# KiCad board MemoryBrakout.kicad_pcb
title: Sharpikeebo; date: 2023-08-06; rev: 2.1; company: Morpheans; note: SHARP MEMORY DISPLAY - RPI 0 2W - QMK Kb - V2.1 (July2023)
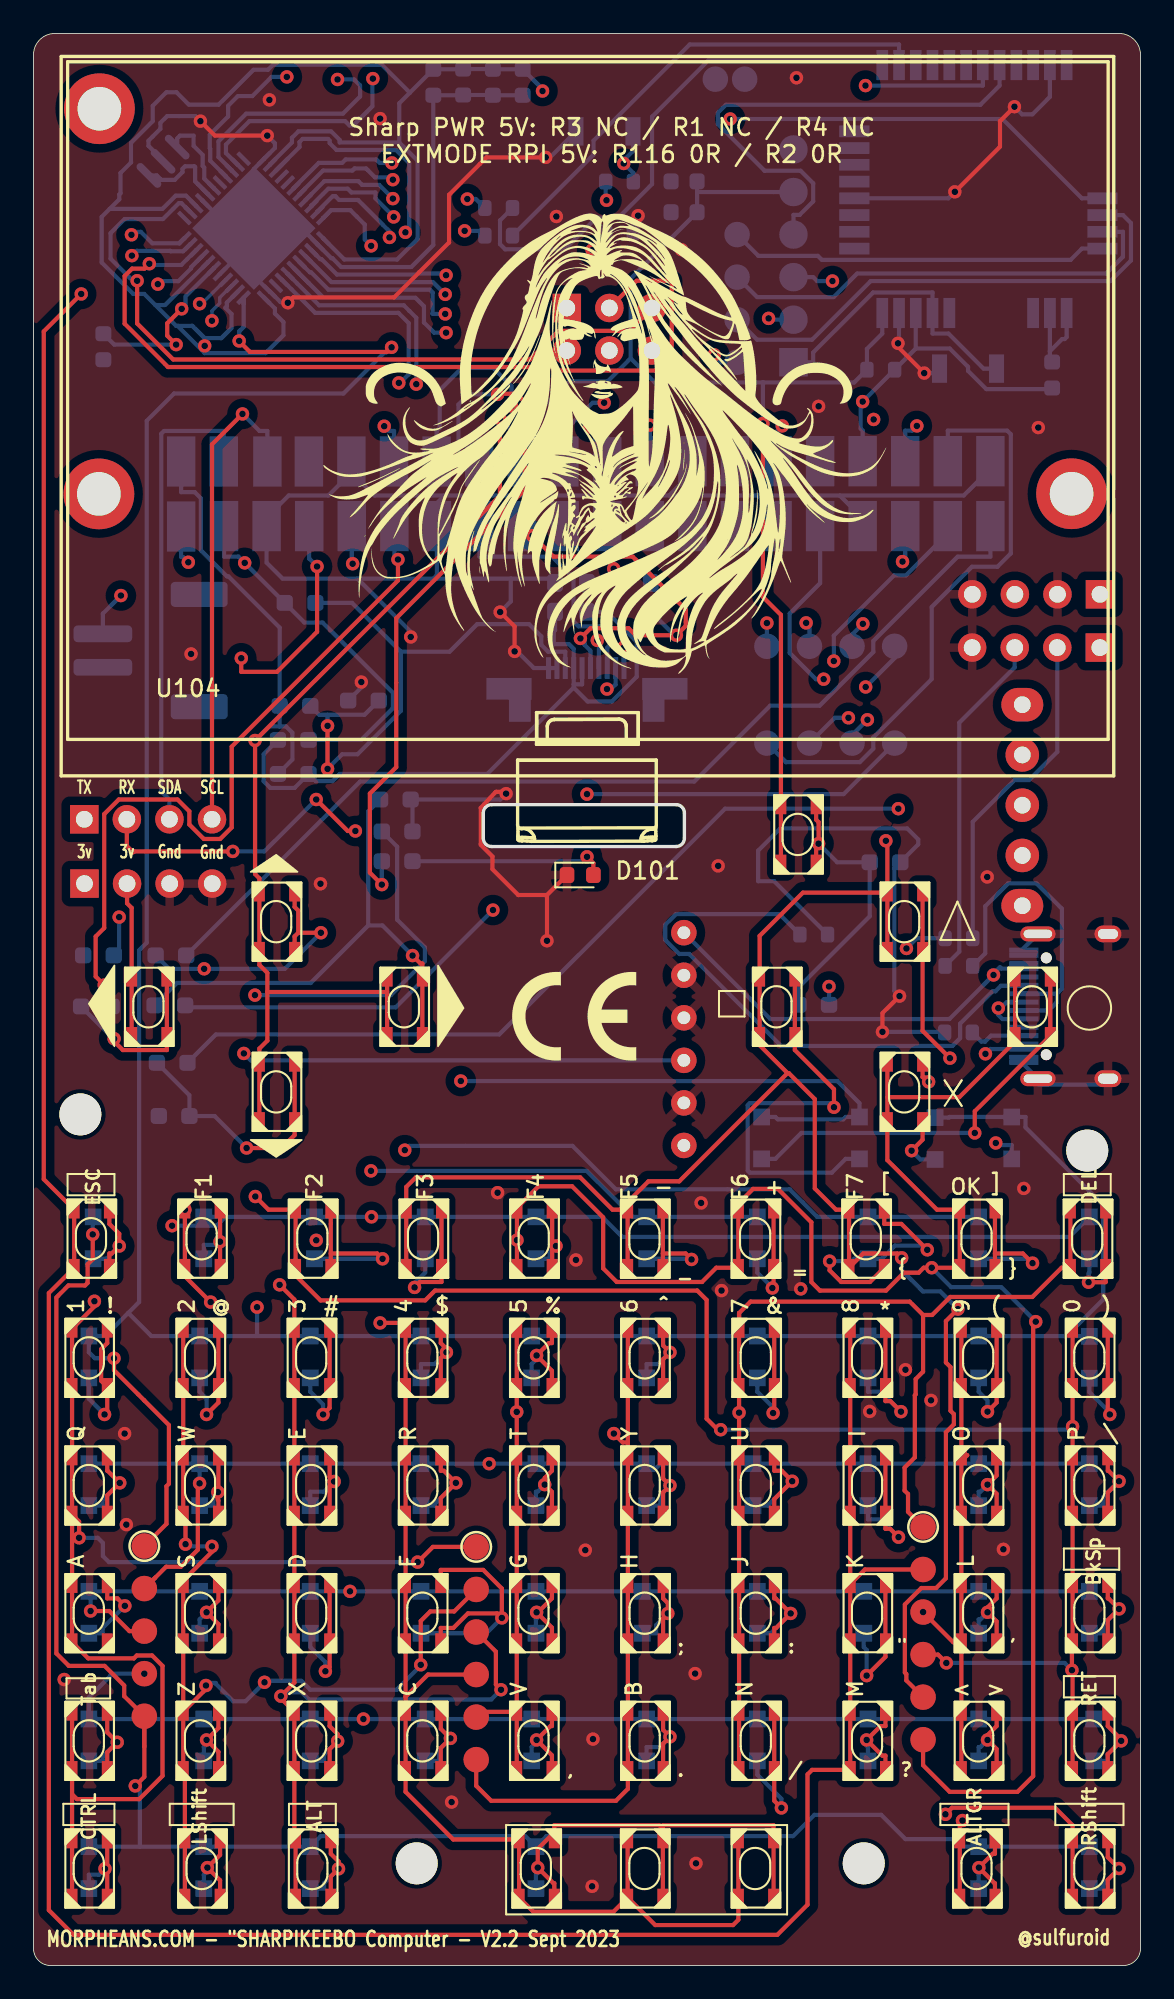
[diagram p0: board, top side]
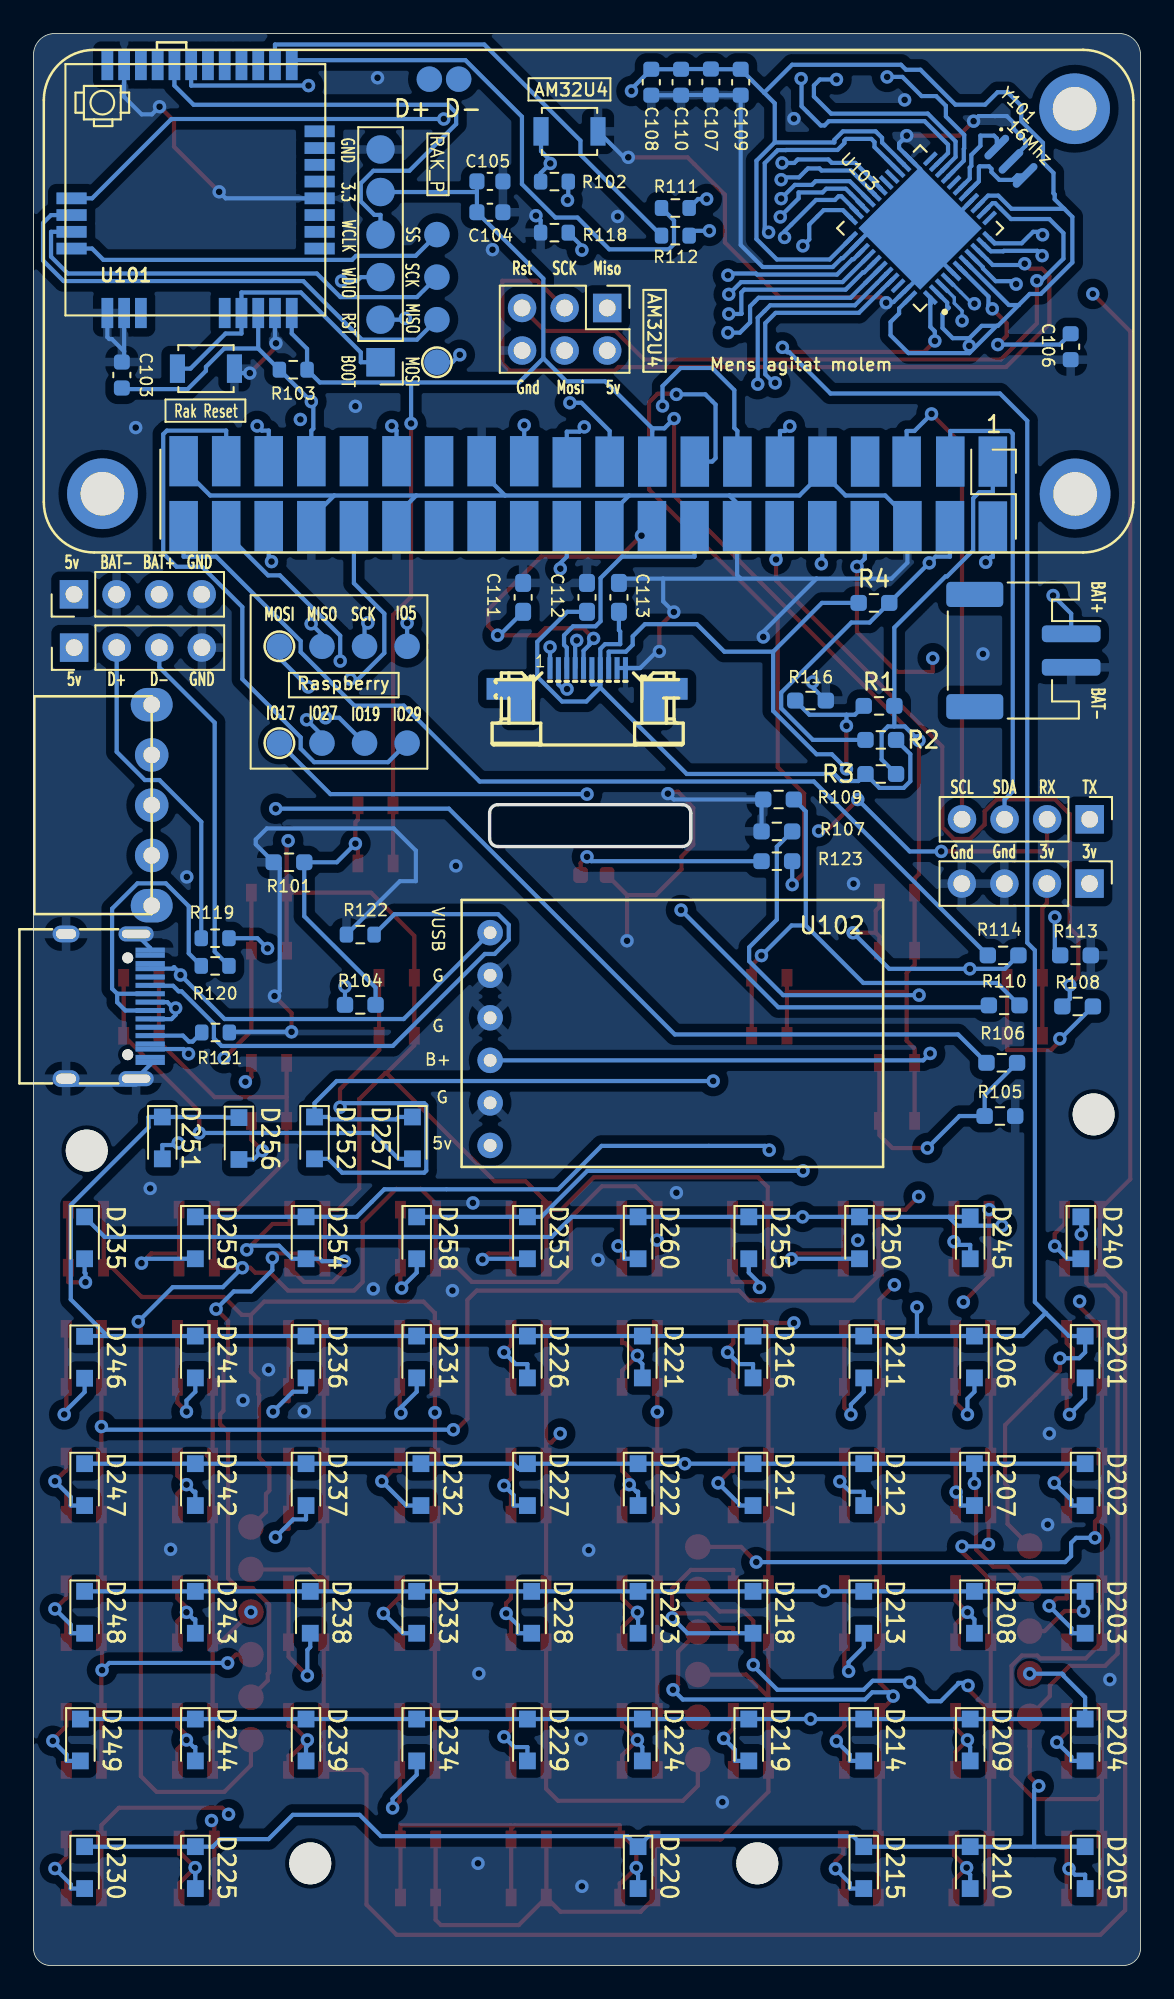
[diagram p1: board, bottom side, seen from below]

Outline 66.04 x 115.32 mm; copper layers: Top, In1.Cu, In2.Cu, Bottom. Coordinates in mm from the lower left corner of the outline.
Outline path: 0,114.05 0,1.02 arc(0.3,0.3) 1.02,0 65.02,0 arc(65.74,0.3) 66.04,1.02 66.04,114.05 arc(65.67,114.94) 64.77,115.32 1.27,115.32 arc(0.37,114.94) 0,114.05

## Placement (name value [footprint] x y rotation side)
C103  100nF  [C_0603_1608Metric]  60.77 94.93 270 bottom
C104  100nF  [C_0603_1608Metric]  38.81 104.65 0 bottom
C105  10uF  [C_0603_1608Metric]  38.81 106.49 0 bottom
C106  1uF  [C_0603_1608Metric]  4.17 96.62 90 bottom
C107  10uF  [C_0603_1608Metric]  25.63 112.42 90 bottom
C108  0.1uF  [C_0603_1608Metric]  29.19 112.41 90 bottom
C109  0.1uF  [C_0603_1608Metric]  23.85 112.41 90 bottom
C110  0.1uF  [C_0603_1608Metric]  27.41 112.41 90 bottom
C111  100nF  [C_0603_1608Metric_Pad1.08x0.95mm_HandSolder]  36.83 81.66 90 bottom
C112  100nF  [C_0603_1608Metric_Pad1.08x0.95mm_HandSolder]  33.02 81.66 90 bottom
C113  1uF  [C_0603_1608Metric_Pad1.08x0.95mm_HandSolder]  31.12 81.66 90 bottom
D101  Violet  [LED_0603_1608Metric]  32.61 65.09 0 top
D201  1N4148  [D_SOD-323_HandSoldering]  3.3 36.32 270 bottom
D202  1N4148  [D_SOD-323_HandSoldering]  3.3 28.7 270 bottom
D203  1N4148  [D_SOD-323_HandSoldering]  3.3 21.08 270 bottom
D204  1N4148  [D_SOD-323_HandSoldering]  3.3 13.46 270 bottom
D205  1N4148  [D_SOD-323_HandSoldering]  3.3 5.84 270 bottom
D206  1N4148  [D_SOD-323_HandSoldering]  9.91 36.32 270 bottom
D207  1N4148  [D_SOD-323_HandSoldering]  9.91 28.7 270 bottom
D208  1N4148  [D_SOD-323_HandSoldering]  9.91 21.08 270 bottom
D209  1N4148  [D_SOD-323_HandSoldering]  10.16 13.46 270 bottom
D210  1N4148  [D_SOD-323_HandSoldering]  10.16 5.84 270 bottom
D211  1N4148  [D_SOD-323_HandSoldering]  16.51 36.32 270 bottom
D212  1N4148  [D_SOD-323_HandSoldering]  16.51 28.7 270 bottom
D213  1N4148  [D_SOD-323_HandSoldering]  16.51 21.08 270 bottom
D214  1N4148  [D_SOD-323_HandSoldering]  16.51 13.46 270 bottom
D215  1N4148  [D_SOD-323_HandSoldering]  16.51 5.84 270 bottom
D216  1N4148  [D_SOD-323_HandSoldering]  23.11 36.32 270 bottom
D217  1N4148  [D_SOD-323_HandSoldering]  23.11 28.7 270 bottom
D218  1N4148  [D_SOD-323_HandSoldering]  23.11 21.08 270 bottom
D219  1N4148  [D_SOD-323_HandSoldering]  23.37 13.46 270 bottom
D220  1N4148  [D_SOD-323_HandSoldering]  29.97 5.84 270 bottom
D221  1N4148  [D_SOD-323_HandSoldering]  29.72 36.32 270 bottom
D222  1N4148  [D_SOD-323_HandSoldering]  29.97 28.7 270 bottom
D223  1N4148  [D_SOD-323_HandSoldering]  29.97 21.08 270 bottom
D224  1N4148  [D_SOD-323_HandSoldering]  29.72 13.46 270 bottom
D225  1N4148  [D_SOD-323_HandSoldering]  56.39 5.84 270 bottom
D226  1N4148  [D_SOD-323_HandSoldering]  36.58 36.32 270 bottom
D227  1N4148  [D_SOD-323_HandSoldering]  36.58 28.7 270 bottom
D228  1N4148  [D_SOD-323_HandSoldering]  36.32 21.08 270 bottom
D229  1N4148  [D_SOD-323_HandSoldering]  36.58 13.46 270 bottom
D230  1N4148  [D_SOD-323_HandSoldering]  62.99 5.84 270 bottom
D231  1N4148  [D_SOD-323_HandSoldering]  43.18 36.32 270 bottom
D232  1N4148  [D_SOD-323_HandSoldering]  42.93 28.7 270 bottom
D233  1N4148  [D_SOD-323_HandSoldering]  43.18 21.08 270 bottom
D234  1N4148  [D_SOD-323_HandSoldering]  43.18 13.46 270 bottom
D235  1N4148  [D_SOD-323_HandSoldering]  62.99 43.43 270 bottom
D236  1N4148  [D_SOD-323_HandSoldering]  49.78 36.32 270 bottom
D237  1N4148  [D_SOD-323_HandSoldering]  49.78 28.7 270 bottom
D238  1N4148  [D_SOD-323_HandSoldering]  49.53 21.08 270 bottom
D239  1N4148  [D_SOD-323_HandSoldering]  49.78 13.46 270 bottom
D240  1N4148  [D_SOD-323_HandSoldering]  3.56 43.43 270 bottom
D241  1N4148  [D_SOD-323_HandSoldering]  56.39 36.32 270 bottom
D242  1N4148  [D_SOD-323_HandSoldering]  56.39 28.7 270 bottom
D243  1N4148  [D_SOD-323_HandSoldering]  56.39 21.08 270 bottom
D244  1N4148  [D_SOD-323_HandSoldering]  56.39 13.46 270 bottom
D245  1N4148  [D_SOD-323_HandSoldering]  10.16 43.43 270 bottom
D246  1N4148  [D_SOD-323_HandSoldering]  62.99 36.3 270 bottom
D247  1N4148  [D_SOD-323_HandSoldering]  62.99 28.7 270 bottom
D248  1N4148  [D_SOD-323_HandSoldering]  62.99 21.08 270 bottom
D249  1N4148  [D_SOD-323_HandSoldering]  63.25 13.46 270 bottom
D250  1N4148  [D_SOD-323_HandSoldering]  16.76 43.43 270 bottom
D251  1N4148  [D_SOD-323_HandSoldering]  58.36 49.4 270 bottom
D252  1N4148  [D_SOD-323_HandSoldering]  49.28 49.4 270 bottom
D253  1N4148  [D_SOD-323_HandSoldering]  36.58 43.43 270 bottom
D254  1N4148  [D_SOD-323_HandSoldering]  49.78 43.43 270 bottom
D255  1N4148  [D_SOD-323_HandSoldering]  23.37 43.43 270 bottom
D256  1N4148  [D_SOD-323_HandSoldering]  53.78 49.36 270 bottom
D257  1N4148  [D_SOD-323_HandSoldering]  43.43 49.4 270 bottom
D258  1N4148  [D_SOD-323_HandSoldering]  43.18 43.43 270 bottom
D259  1N4148  [D_SOD-323_HandSoldering]  56.39 43.43 270 bottom
D260  1N4148  [D_SOD-323_HandSoldering]  29.97 43.43 270 bottom
H101  MountingHole  [MountingHole_2.5mm]  22.86 6.1 0 top
H102  MountingHole  [MountingHole_2.5mm]  49.53 6.1 0 top
H103  MountingHole  [MountingHole_2.5mm]  2.79 50.8 0 top
H104  MountingHole  [MountingHole_2.5mm]  62.87 48.64 0 top
H105  RPM3  [SMTSO-M25-M3]  3.9 87.84 0 bottom
H106  RPM2  [SMTSO-M25-M3]  3.93 110.83 0 bottom
H107  RPM1  [SMTSO-M25-M3]  61.93 87.85 0 bottom
J1  TP_R  [5padsfree]  6.61 13.61 0 top
J2  TP_C1  [6padsfree]  26.41 13.56 0 top
J3  TP_C2  [6padsfree]  53.07 14.75 0 top
J101  RakProg2  [6propins]  45.34 95.69 0 bottom
J102  PROGRak  [4padsfree]  41.97 107.12 0 bottom
J103  BATCON  [JST_PH_S2B-PH-SM4-TB_1x02-1MP_P2.00mm_Horizontal]  6.98 78.49 270 bottom
J104  BATCNX  [PinHeader_1x04_P2.54mm_Vertical]  63.63 81.84 90 bottom
J105  OnOFF Sw  [SS-12F23]  58.99 69.26 90 bottom
J106  3Vsource  [PinHeader_1x04_P2.54mm_Vertical]  3.04 64.58 270 bottom
J107  usb32u2rpi  [PinHeader_1x04_P2.54mm_Vertical]  63.62 78.66 90 bottom
J108  uart  [PinHeader_1x04_P2.54mm_Vertical]  3.03 68.41 270 bottom
J109  ISP-Prog  [PinHeader_2x03_P2.54mm_Vertical]  31.81 98.93 270 bottom
J110  RPI_Connector-ML_RPi_GPIO  [Raspberry_Pi_Zero_FLIPPED]  0.43 114.34 0 bottom
J111  USBPOWER  [GT-USB-7010]  62.23 57.25 270 bottom
J112  GPIO  [4padsfree]  39.94 72.96 90 bottom
J113  SPI_P  [4padsfree]  39.94 78.74 90 bottom
Ky201  1  [SKRPABE010]  4.7 34.04 90 top
Ky202  Q  [SKRPABE010]  4.7 26.42 90 top
Ky203  A  [SKRPABE010]  4.7 18.8 90 top
Ky204  Tab  [SKRPABE010]  4.7 11.18 90 top
Ky205  CTRL  [SKRPABE010]  4.7 3.56 90 top
Ky206  2  [SKRPABE010]  11.33 34.04 90 top
Ky207  W  [SKRPABE010]  11.33 26.42 90 top
Ky208  S  [SKRPABE010]  11.33 18.8 90 top
Ky209  Z  [SKRPABE010]  11.33 11.18 90 top
Ky210  LShift  [SKRPABE010]  11.43 3.56 90 top
Ky211  3  [SKRPABE010]  17.96 34.04 90 top
Ky212  E  [SKRPABE010]  17.96 26.42 90 top
Ky213  D  [SKRPABE010]  17.96 18.8 90 top
Ky214  X  [SKRPABE010]  17.96 11.18 90 top
Ky215  ALT  [SKRPABE010]  18.03 3.56 90 top
Ky216  SPC  [SKRPABE010]  44.45 3.56 90 top
Ky217  4  [SKRPABE010]  24.6 34.04 90 top
Ky218  R  [SKRPABE010]  24.6 26.42 90 top
Ky219  F  [SKRPABE010]  24.6 18.8 90 top
Ky220  C  [SKRPABE010]  24.6 11.18 90 top
Ky221  SPC  [SKRPABE010]  31.37 3.56 90 top
Ky222  SPC  [SKRPABE010]  37.85 3.56 90 top
Ky223  5  [SKRPABE010]  31.23 34.04 90 top
Ky224  T  [SKRPABE010]  31.23 26.42 90 top
Ky225  G  [SKRPABE010]  31.23 18.8 90 top
Ky226  V  [SKRPABE010]  31.23 11.18 90 top
Ky227  ALTGR  [SKRPABE010]  57.66 3.56 90 top
Ky228  6  [SKRPABE010]  37.86 34.04 90 top
Ky229  Y  [SKRPABE010]  37.86 26.42 90 top
Ky230  H  [SKRPABE010]  37.86 18.8 90 top
Ky231  B  [SKRPABE010]  37.86 11.18 90 top
Ky232  RShift  [SKRPABE010]  64.39 3.56 90 top
Ky233  7  [SKRPABE010]  44.49 34.04 90 top
Ky234  U  [SKRPABE010]  44.49 26.42 90 top
Ky235  J  [SKRPABE010]  44.49 18.8 90 top
Ky236  N  [SKRPABE010]  44.49 11.18 90 top
Ky237  DEL  [SKRPABE010]  64.26 41.15 90 top
Ky238  8  [SKRPABE010]  51.12 34.04 90 top
Ky239  I  [SKRPABE010]  51.12 26.42 90 top
Ky240  K  [SKRPABE010]  51.12 18.8 90 top
Ky241  M  [SKRPABE010]  51.12 11.18 90 top
Ky242  ESC  [SKRPABE010]  4.83 41.15 90 top
Ky243  9  [SKRPABE010]  57.76 34.04 90 top
Ky244  O  [SKRPABE010]  57.76 26.42 90 top
Ky245  L  [SKRPABE010]  57.76 18.8 90 top
Ky246  Sp-Inf  [SKRPABE010]  57.76 11.18 90 top
Ky247  F1  [SKRPABE010]  11.43 41.15 90 top
Ky248  0  [SKRPABE010]  64.39 34.04 90 top
Ky249  P  [SKRPABE010]  64.39 26.42 90 top
Ky250  BkSp  [SKRPABE010]  64.39 18.8 90 top
Ky251  RET  [SKRPABE010]  64.39 11.18 90 top
Ky252  F2  [SKRPABE010]  18.03 41.15 90 top
Ky253  UPArrw  [SKRPABE010]  53.34 60.07 90 top
Ky254  LArrw  [SKRPABE010]  45.72 54.99 90 top
Ky255  F5  [SKRPABE010]  37.85 41.15 90 top
Ky256  F7  [SKRPABE010]  51.05 41.15 90 top
Ky257  F3  [SKRPABE010]  24.64 41.15 90 top
Ky258  DwnArrw  [SKRPABE010]  53.34 49.91 90 top
Ky259  Rarrw  [SKRPABE010]  60.96 54.99 90 top
Ky260  F6  [SKRPABE010]  44.45 41.15 90 top
Ky261  OKBTN  [SKRPABE010]  57.66 41.15 90 top
Ky262  F4  [SKRPABE010]  31.24 41.15 90 top
R1  NC  [R_0603_1608Metric_Pad0.98x0.95mm_HandSolder]  15.6 75.18 180 bottom
R2  OR  [R_0603_1608Metric_Pad0.98x0.95mm_HandSolder]  15.49 73.15 180 bottom
R3  NC  [R_0603_1608Metric_Pad0.98x0.95mm_HandSolder]  15.49 71.12 0 bottom
R4  NC  [R_0603_1608Metric_Pad0.98x0.95mm_HandSolder]  15.9 81.33 180 bottom
R101  10k  [R_0603_1608Metric_Pad0.98x0.95mm_HandSolder]  50.8 65.85 0 bottom
R102  10k  [R_0603_1608Metric]  34.96 106.48 0 bottom
R103  10k  [R_0603_1608Metric]  50.55 95.25 0 bottom
R104  1k  [R_0603_1608Metric_Pad0.98x0.95mm_HandSolder]  46.55 57.34 180 bottom
R105  10k  [R_0603_1608Metric_Pad0.98x0.95mm_HandSolder]  8.39 50.7 180 bottom
R106  1k  [R_0603_1608Metric_Pad0.98x0.95mm_HandSolder]  8.28 53.88 180 bottom
R107  10k  [R_0603_1608Metric_Pad0.98x0.95mm_HandSolder]  21.69 67.69 0 bottom
R108  1k  [R_0603_1608Metric_Pad0.98x0.95mm_HandSolder]  3.75 57.24 180 bottom
R109  10k  [R_0603_1608Metric_Pad0.98x0.95mm_HandSolder]  21.59 69.6 0 bottom
R110  1k  [R_0603_1608Metric_Pad0.98x0.95mm_HandSolder]  8.13 57.31 180 bottom
R111  22R  [R_0603_1608Metric]  27.75 104.9 0 bottom
R112  22R  [R_0603_1608Metric]  27.75 103.25 0 bottom
R113  10k  [R_0603_1608Metric_Pad0.98x0.95mm_HandSolder]  3.88 60.29 180 bottom
R114  1k  [R_0603_1608Metric_Pad0.98x0.95mm_HandSolder]  8.19 60.29 180 bottom
R116  0R  [R_0603_1608Metric_Pad0.98x0.95mm_HandSolder]  19.69 75.5 180 bottom
R118  10k  [R_0603_1608Metric]  34.96 103.43 180 bottom
R119  22r  [R_0603_1608Metric]  55.21 61.32 0 bottom
R120  22r  [R_0603_1608Metric]  55.21 59.66 180 bottom
R121  5.1k  [R_0603_1608Metric]  55.18 55.69 0 bottom
R122  5.1k  [R_0603_1608Metric]  46.55 61.53 180 bottom
R123  330R  [R_0603_1608Metric_Pad0.98x0.95mm_HandSolder]  21.69 65.91 0 bottom
SW101  But2  [SKRPABE010]  46.99 65.28 90 top
SW102  reset_32u4  [SW_SPST_B3U-1000P]  34.06 109.47 180 bottom
SW103  But3  [SKRPABE010]  15.88 49.91 90 top
SW104  But1  [SKRPABE010]  8.25 54.99 90 top
SW105  BOOT  [SW_SPST_B3U-1000P]  55.75 95.31 180 bottom
SW106  But4  [SKRPABE010]  23.5 54.99 90 top
SW107  But5  [SKRPABE010]  15.88 60.07 90 top
U101  -  [RAK3172]  64.13 98.49 180 bottom
U102  -  [Charger2A]  15.54 63.35 0 bottom
U103  ATmega32U4-MU  [ATMEGA32U4-MU]  13.14 103.7 45 bottom
U104  DisplaySharp  [SHARP27LCD]  5.81 70.84 0 top
Y101  16 Mhz  [Crystal16]  8.57 108.53 225 bottom

## Library data of the parts
C103-C105 = -: Description: Unpolarized capacitor, small symbol
C106 C113 = -: Description: Unpolarized capacitor, small symbol; LCSC: C1689
C107 = -: Description: Unpolarized capacitor, small symbol; LCSC: C70225
C108-C112 = -: Description: Unpolarized capacitor, small symbol; LCSC: C42998
D101 = -: Description: Light emitting diode, small symbol
D201-D249 D251-D260 = -: Description: Diode, small symbol; LCSC: C2128
D250 = -: Description: Diode, small symbol; LCSCD: C2128
H101-H107 = -: Description: Mounting Hole without connection
J1 = -: Description: Generic connector, single row, 01x05, script generated (kicad-library-utils/schlib/autogen/connector/)
J2 J3 J101 J109 = -: Description: Generic connector, single row, 01x06, script generated (kicad-library-utils/schlib/autogen/connector/)
J102 J104 J106-J108 J112 J113 = -: Description: Generic connector, single row, 01x04, script generated (kicad-library-utils/schlib/autogen/connector/)
J103 = -: Description: Generic connector, single row, 01x02, script generated (kicad-library-utils/schlib/autogen/connector/); LCSC: C295747
J105 = -: Description: Generic connector, single row, 01x02, script generated (kicad-library-utils/schlib/autogen/connector/)
J111 = -: Description: USB Full-Featured Type-C Receptacle connector; LCSC: C963412
Ky201-Ky262 = -: Description: Push button switch, normally open, two pins, 45° tilted; LCSC: C115360
R1-R4 R101 R102 R105 R107 R109 R113 R116 R118 R123 = -: Description: Resistor, small symbol; LCSC: C25804
R103 R111 R112 = -: Description: Resistor, small symbol
R104 R106 R108 R110 R114 = -: Description: Resistor, small symbol; LCSC: C21190
R119 R120 = -: Description: Resistor, small symbol; LCSC: C107701
R121 R122 = -: Description: Resistor, small symbol; LCSC: C23186
SW101 SW103 SW104 SW106 SW107 = -: LCSC: C115360
SW102 = -: Description: Push button switch, generic, two pins; LCSC: C231329
SW105 = -: Description: Push button switch, normally open, two pins, 45° tilted
U103 = -: LCSC: C112161
U104 = -: LCSC: C496144
Y101 = -: Description: Three pin ceramic resonator, small symbol

## Footprints (pads in the part's own frame, mm; a bottom-side part is the same pattern mirrored in y, then rotated)
4padsfree
  round 1.524 smd: 1(0,11.43) 2(0,8.89) 3(0,6.35) 4(0,3.81)
5padsfree
  round 1.524 smd: 1(0,11.43) 2(0,8.89) 3(0,6.35) 4(0,3.81) 5(0,1.27)
6padsfree
  round 1.524 smd: 1(0,11.43) 2(0,8.89) 3(0,6.35) 4(0,3.81) 5(0,1.27) 6(0,-1.27)
6propins
  rect 1.7x1.7 smd: 1(0,0)
  oval 1.7x1.7 smd: 2(0,-2.54) 3(0,-5.08) 4(0,-7.62) 5(0,-10.16) 6(0,-12.7)
ATMEGA32U4-MU
  rrect 1.01x0.26 smd: 1(-3.36,2.5) 2(-3.36,2) 3(-3.36,1.5) 4(-3.36,1) 5(-3.36,0.5) 6(-3.36,0) 7(-3.36,-0.5) 8(-3.36,-1) 9(-3.36,-1.5) 10(-3.36,-2) 11(-3.36,-2.5) 23(3.36,-2.5) 24(3.36,-2) 25(3.36,-1.5) 26(3.36,-1) 27(3.36,-0.5) 28(3.36,0) 29(3.36,0.5) 30(3.36,1) 31(3.36,1.5) 32(3.36,2) 33(3.36,2.5)
  rrect 0.26x1.01 smd: 12(-2.5,-3.36) 13(-2,-3.36) 14(-1.5,-3.36) 15(-1,-3.36) 16(-0.5,-3.36) 17(0,-3.36) 18(0.5,-3.36) 19(1,-3.36) 20(1.5,-3.36) 21(2,-3.36) 22(2.5,-3.36) 34(2.5,3.36) 35(2,3.36) 36(1.5,3.36) 37(1,3.36) 38(0.5,3.36) 39(0,3.36) 40(-0.5,3.36) 41(-1,3.36) 42(-1.5,3.36) 43(-2,3.36) 44(-2.5,3.36)
  rect 5.2x5.2 smd: 45(0,0)
C_0603_1608Metric
  rrect 0.9x0.95 smd: 1(-0.775,0) 2(0.775,0)
C_0603_1608Metric_Pad1.08x0.95mm_HandSolder
  rrect 1.075x0.95 smd: 1(-0.863,0) 2(0.863,0)
Charger2A
  round 1.524 hole 0.762: 1(23.254,14.402) 2(23.254,11.862) 3(23.254,9.322) 4(23.254,6.782) 5(23.254,4.242) 6(23.254,1.702)
Crystal16
  oval 0.449x1.9 smd: 1(0,0) 2(1.194,0) 3(2.388,0)
D_SOD-323_HandSoldering
  rect 1x1 smd: 1(-1.25,0) 2(1.25,0)
GT-USB-7010
  round 0.65 hole 0.65 unplated: (-2.89,1.81) (2.89,1.81)
  rect 0.3x1.75 smd: A1(-3.35,3.15) A4(-2.55,3.15) A5(-1.25,3.15) A6(-0.25,3.15) A7(0.25,3.15) A8(1.25,3.15) A9(2.55,3.15) A12(3.35,3.15) B1(3.05,3.15) B4(2.25,3.15) B5(1.75,3.15) B6(0.75,3.15) B7(-0.75,3.15) B8(-1.75,3.15) B9(-2.25,3.15) B12(-3.05,3.15)
  oval 1x1.6 hole 0.6x1.2: S1(-4.32,-1.87) S1(4.32,-1.87)
  oval 0.9x2.1 hole 0.5x1.7: S1(-4.32,2.31) S1(4.32,2.31)
JST_PH_S2B-PH-SM4-TB_1x02-1MP_P2.00mm_Horizontal
  rrect 1x3.5 smd: 1(-1,2.85) 2(1,2.85)
  rrect 1.5x3.4 smd: MP(-3.35,-2.9) MP(3.35,-2.9)
LED_0603_1608Metric
  rrect 0.875x0.95 smd: 1(-0.787,0) 2(0.787,0)
MountingHole_2.5mm
  round 2.5 hole 2.5 unplated: (0,0)
PinHeader_1x04_P2.54mm_Vertical
  rect 1.7x1.7 hole 1: 1(0,0)
  oval 1.7x1.7 hole 1: 2(0,-2.54) 3(0,-5.08) 4(0,-7.62)
PinHeader_2x03_P2.54mm_Vertical
  rect 1.7x1.7 hole 1: 1(0,0)
  oval 1.7x1.7 hole 1: 2(2.54,0) 3(0,-2.54) 4(2.54,-2.54) 5(0,-5.08) 6(2.54,-5.08)
R_0603_1608Metric
  rrect 0.8x0.95 smd: 1(-0.825,0) 2(0.825,0)
R_0603_1608Metric_Pad0.98x0.95mm_HandSolder
  rrect 0.975x0.95 smd: 1(-0.912,0) 2(0.912,0)
RAK3172
  rect 0.7x1.8 smd: 1(13.5,14.945) 2(12.5,14.945) 3(11.5,14.945) 4(10.5,14.945) 5(9.5,14.945) 6(8.5,14.945) 7(7.5,14.945) 8(6.5,14.945) 9(5.5,14.945) 10(4.5,14.945) 11(3.5,14.945) 12(2.5,14.945) 17(2.5,0.145) 18(3.5,0.145) 19(4.5,0.145) 20(9.5,0.145) 21(10.5,0.145) 22(11.5,0.145) 23(12.5,0.145) 24(13.5,0.145)
  rect 1.8x0.7 smd: 13(0.365,6.99) 14(0.365,5.99) 15(0.365,4.99) 16(0.365,3.99) 25(15.165,3.99) 26(15.165,4.99) 27(15.165,5.99) 28(15.165,6.99) 29(15.165,7.99) 30(15.165,8.99) 31(15.165,9.99) 32(15.165,10.99)
Raspberry_Pi_Zero_FLIPPED
  rect 1.7x3 smd: 1(8.382,24.575) 2(8.382,28.448) 3(10.922,24.575) 4(10.94,28.425) 5(13.525,24.575) 6(13.48,28.425) 7(16.002,24.575) 8(16.02,28.425) 9(18.542,24.575) 10(18.56,28.425) 11(21.082,24.575) 12(21.1,28.425) 13(23.622,24.575) 14(23.64,28.425) 15(26.162,24.575) 16(26.18,28.425) 17(28.702,24.575) 18(28.72,28.425) 19(31.242,24.575) 20(31.26,28.425) 21(33.8,24.615) 22(33.8,28.425) 23(36.34,24.552) 24(36.34,28.425) 25(38.88,24.552) 26(38.88,28.425) 27(41.42,24.552) 28(41.42,28.425) 29(43.96,24.552) 30(43.96,28.425) 31(46.5,24.552) 32(46.5,28.425) 33(49.04,24.552) 34(49.04,28.425) 35(51.58,24.552) 36(51.58,28.425) 37(54.12,24.552) 38(54.12,28.425) 39(56.66,24.552) 40(56.66,28.425)
  round 1.524 smd: 41(40.25,1.75) 42(42,1.75)
SHARP27LCD
  rect 0.3x1.3 smd far side: 1(29.415,6.6) 2(28.915,6.6) 3(28.415,6.6) 4(27.915,6.6) 5(27.415,6.6) 6(26.915,6.6) 7(26.415,6.6) 8(25.915,6.6) 9(25.415,6.6) 10(24.915,6.6)
  rect 2.7x1.3 smd far side: 11(22.555,5.359) 11(31.852,5.359)
  rect 1.3x2.2 smd far side: 11(23.203,4.496) 11(31.178,4.496)
SKRPABE010
  rect 1.05x0.65 smd: 1(0.5,2.4) 1(3.965,2.4) 2(0.5,0.3) 2(3.965,0.3)
SMTSO-M25-M3
  round 4.22 hole 2.6: (0,0)
SS-12F23
  oval 2x2.5 hole 1: (-6,0) (6,0)
  round 2 hole 1: 1(3,0) 2(0,0) 3(-3,0)
SW_SPST_B3U-1000P
  rect 0.9x1.7 smd: 1(-1.7,0) 2(1.7,0)
